# KiCad board m-blanc.kicad_pcb (continued)
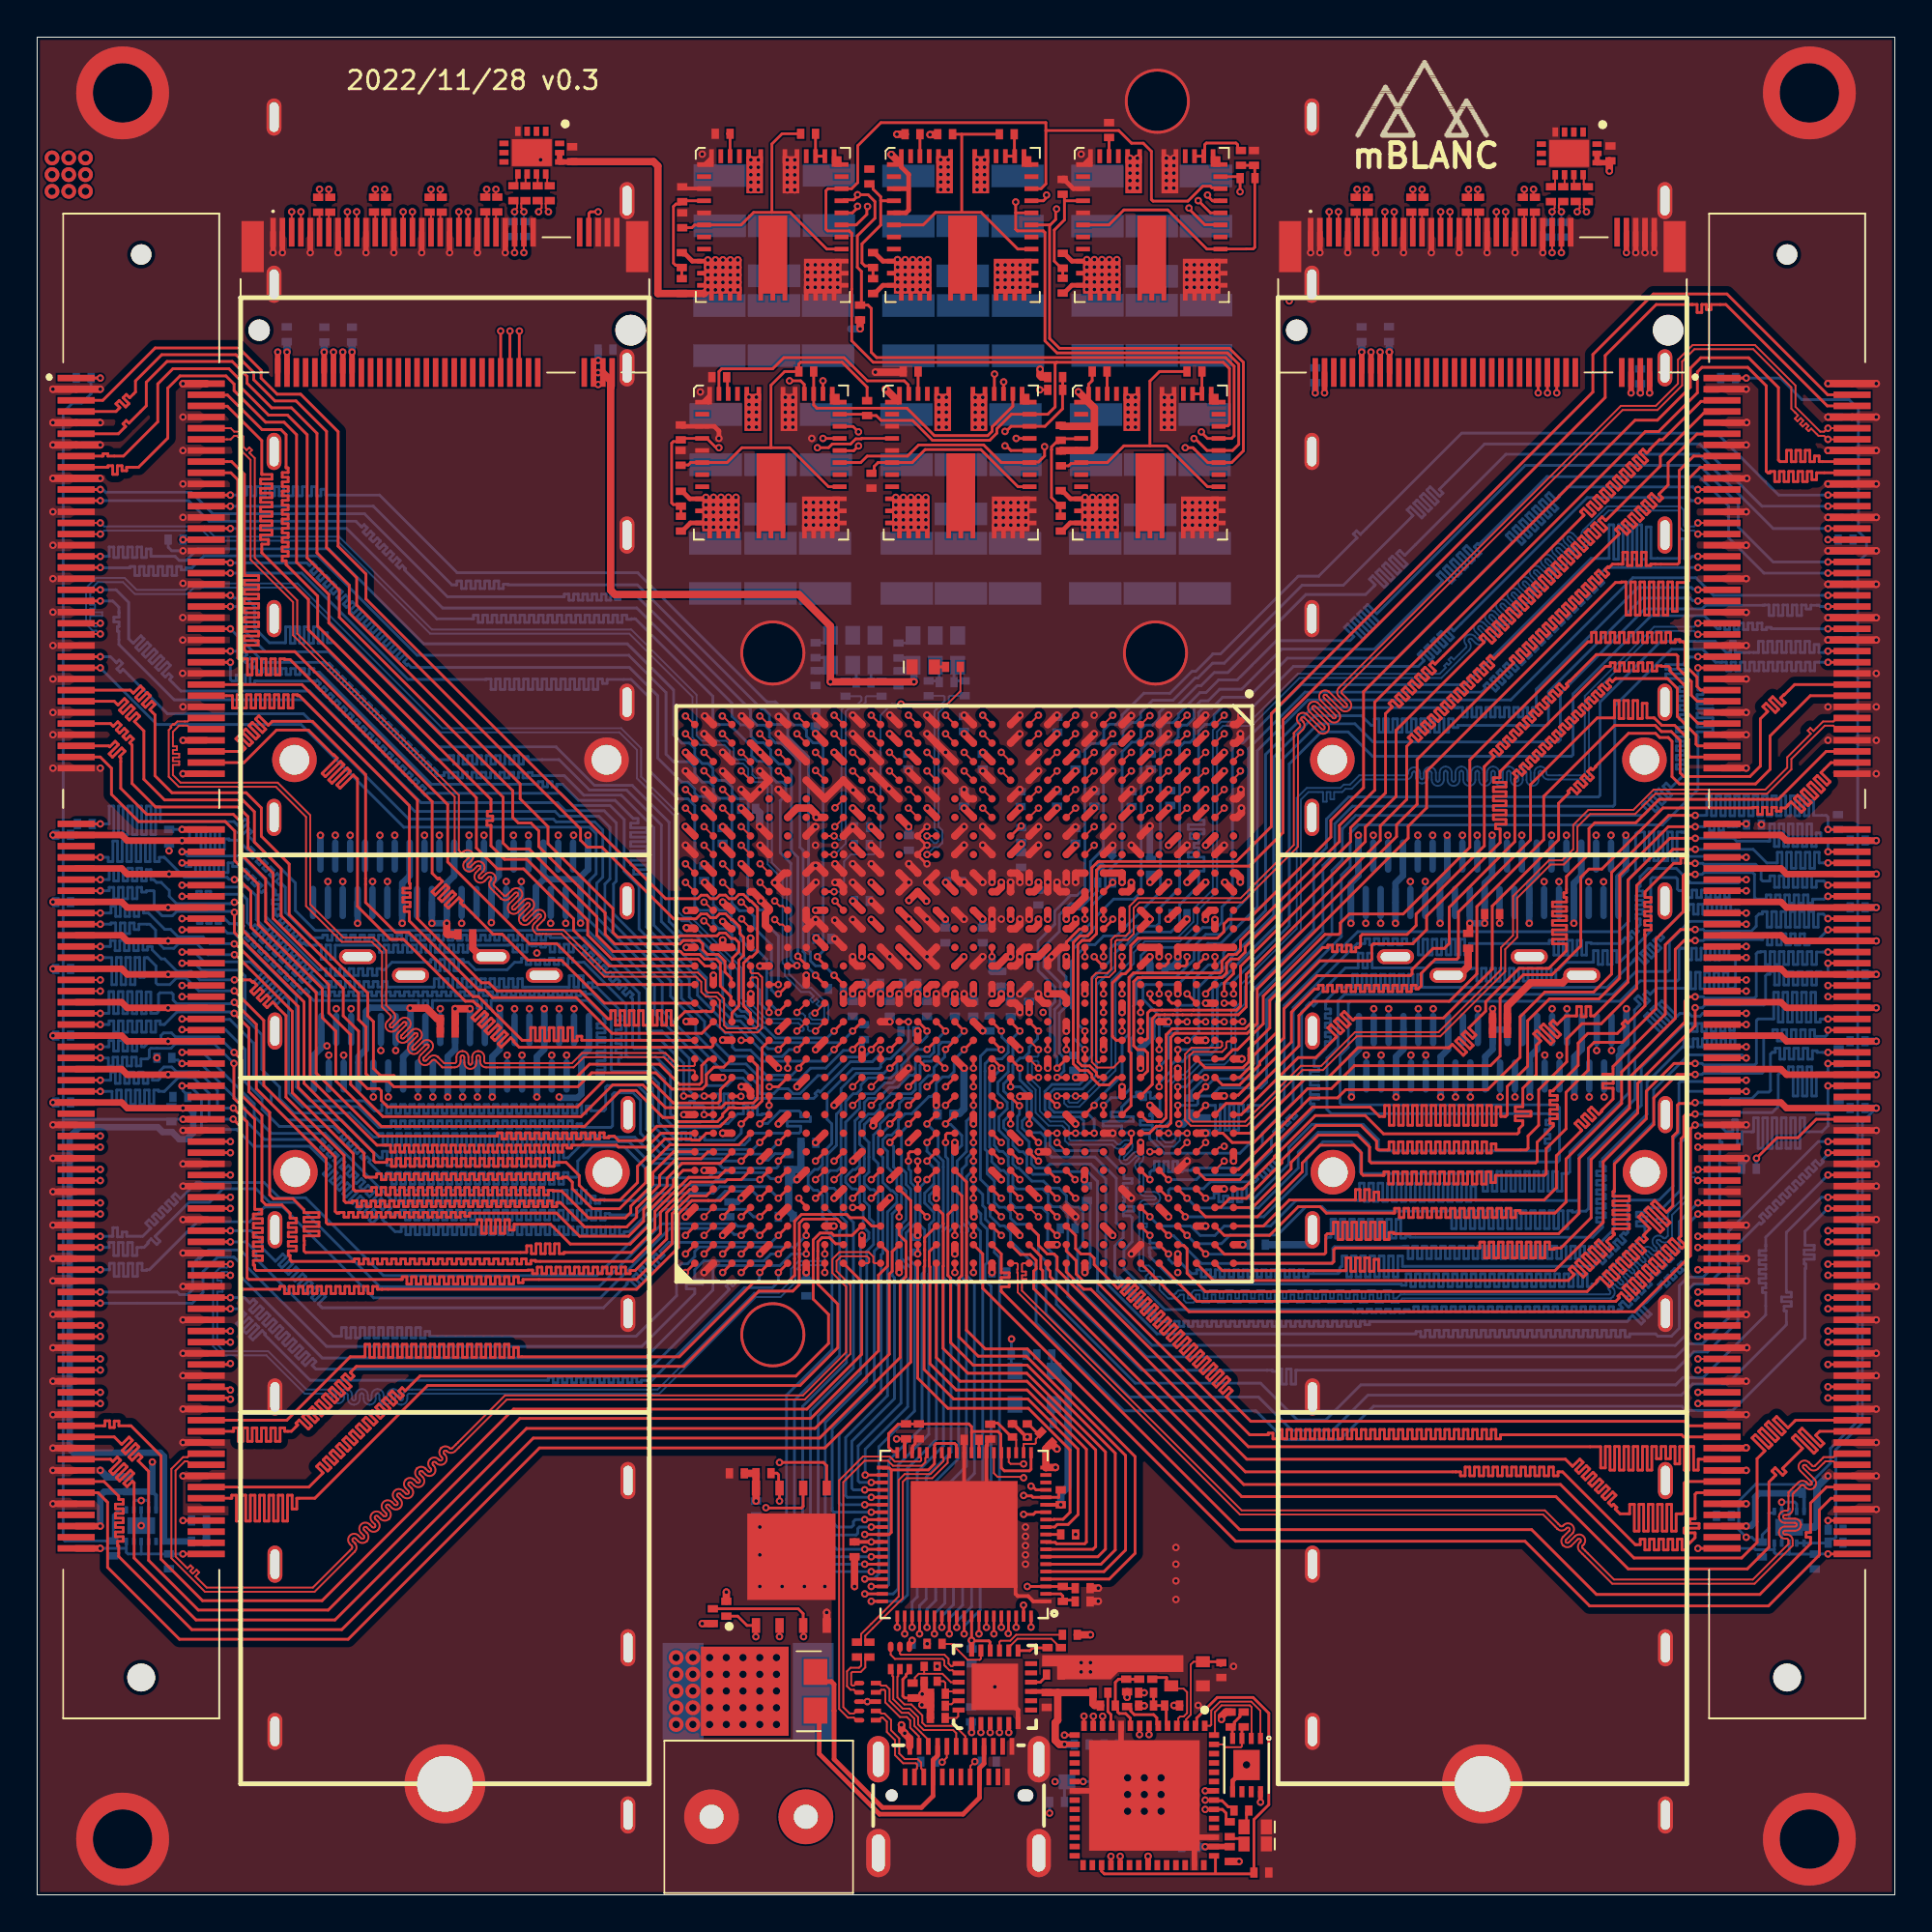
[diagram p0: board, top side]
## Routing (per net, layer and track width the routed paths; a pad name or vN(x,y) marks a point on that pad's centre or on a via; arc(x,y) is an arc through that point) (continued)
PCIe2_TX0_N: length 55.5
  Top Layer w0.1: U1.D1 v1(61.9,63.5) ; v1(80.05,91.81) 80.05,91.46 C96.1
  InLayer2 (Signal) w0.1: v1(80.05,91.81) 80.05,91.88 80.19,92.02 80.19,92.63 79.75,93.07 78.96,93.07 arc(78.89,93.04) 78.86,92.97 78.86,92.69 arc(78.77,92.46) 78.54,92.36 arc(78.31,92.46) 78.21,92.69 78.21,93.61 arc(78.18,93.68) 78.11,93.71 arc(78.04,93.68) 78.01,93.61 78.01,92.69 arc(77.92,92.46) 77.69,92.36 arc(77.46,92.46) 77.36,92.69 77.36,93.61 arc(77.33,93.68) 77.26,93.71 arc(77.19,93.68) 77.16,93.61 77.16,92.69 arc(77.07,92.46) 76.84,92.36 arc(76.61,92.46) 76.51,92.69 76.51,93.61 arc(76.48,93.68) 76.41,93.71 arc(76.34,93.68) 76.31,93.61 76.31,93.4 arc(76.22,93.17) 75.99,93.07 68.53,93.07 66.34,90.89 66.26,90.81 66.29,90.77 66.15,90.63 66.12,90.66 65.98,90.52 66.17,90.34 66.03,90.19 65.84,90.38 65.7,90.24 65.88,90.05 65.74,89.91 65.55,90.1 65.22,89.77 65.22,67.56 61.5,63.84 61.5,63.17 61.56,63.11 61.84,63.11 61.9,63.17 v1(61.9,63.5)
PCIe2_TX0_P: length 55.4
  Top Layer w0.1: v1(80.55,91.81) 80.55,91.45 C94.1 ; U1.D2 v1(61.9,62.5)
  InLayer2 (Signal) w0.1: v1(61.9,62.5) 61.9,62.83 61.84,62.89 61.47,62.89 61.28,63.08 61.28,63.94 65,67.66 65,89.86 68.44,93.3 75.99,93.3 arc(76.06,93.33) 76.09,93.4 76.09,93.61 arc(76.18,93.84) 76.41,93.94 arc(76.64,93.84) 76.74,93.61 76.74,92.69 arc(76.77,92.62) 76.84,92.59 arc(76.91,92.62) 76.94,92.69 76.94,93.61 arc(77.03,93.84) 77.26,93.94 arc(77.49,93.84) 77.59,93.61 77.59,92.69 arc(77.62,92.62) 77.69,92.59 arc(77.76,92.62) 77.79,92.69 77.79,93.61 arc(77.88,93.84) 78.11,93.94 arc(78.34,93.84) 78.44,93.61 78.44,92.69 arc(78.47,92.62) 78.54,92.59 arc(78.61,92.62) 78.64,92.69 78.64,92.97 arc(78.73,93.2) 78.96,93.3 79.84,93.3 80.41,92.72 80.41,92.02 80.55,91.88 v1(80.55,91.81)
PCIe2_TX1_N: length 55.4
  Top Layer w0.1: U1.B1 v1(63.9,63.5) ; C100.1 77.05,91.47 v1(77.05,91.81)
  InLayer2 (Signal) w0.1: v1(63.9,63.5) 63.9,63.17 63.96,63.11 64.05,63.11 64.23,63.29 64.23,63.74 67.61,67.12 67.61,70.07 68.25,70.71 69.53,70.71 69.65,70.82 69.65,71.36 arc(69.62,71.43) 69.55,71.46 arc(69.32,71.55) 69.22,71.78 arc(69.32,72.01) 69.55,72.11 70.49,72.11 arc(70.56,72.14) 70.59,72.21 arc(70.56,72.28) 70.49,72.31 69.3,72.31 arc(69.07,72.4) 68.98,72.63 arc(69.07,72.86) 69.3,72.96 70.52,72.96 arc(70.59,72.99) 70.62,73.06 arc(70.59,73.13) 70.52,73.16 69.3,73.16 arc(69.07,73.25) 68.98,73.48 arc(69.07,73.71) 69.3,73.81 70.52,73.81 arc(70.59,73.84) 70.62,73.91 arc(70.59,73.98) 70.52,74.01 69.3,74.01 arc(69.07,74.1) 68.98,74.33 arc(69.07,74.56) 69.3,74.66 70.52,74.66 arc(70.59,74.69) 70.62,74.76 arc(70.59,74.83) 70.52,74.86 69.3,74.86 arc(69.07,74.95) 68.98,75.18 arc(69.07,75.41) 69.3,75.51 70.52,75.51 arc(70.59,75.54) 70.62,75.61 arc(70.59,75.68) 70.52,75.71 69.98,75.71 arc(69.75,75.8) 69.65,76.03 69.65,89.27 69.93,89.54 70.29,89.54 70.29,89.72 70.49,89.72 70.49,89.54 70.76,89.54 70.98,89.76 70.98,90.71 72.71,92.44 75.76,92.44 76.85,91.35 77.09,91.35 77.19,91.45 77.19,91.6 77.05,91.74 v1(77.05,91.81)
PCIe2_TX1_P: length 55.5
  Top Layer w0.1: 63.97,62.5 v1(63.9,62.5) U1.B2 ; v1(77.55,91.81) 77.55,91.45 C98.1
  InLayer2 (Signal) w0.1: v1(63.9,62.5) 63.9,62.83 63.96,62.89 64.14,62.89 64.45,63.19 64.45,63.64 67.83,67.03 67.83,69.98 68.34,70.48 69.63,70.48 69.88,70.73 69.88,71.36 arc(69.78,71.59) 69.55,71.68 arc(69.48,71.71) 69.45,71.78 arc(69.48,71.85) 69.55,71.88 70.49,71.88 arc(70.72,71.98) 70.81,72.21 arc(70.72,72.44) 70.49,72.53 69.3,72.53 arc(69.23,72.56) 69.2,72.63 arc(69.23,72.7) 69.3,72.73 70.52,72.73 arc(70.75,72.83) 70.84,73.06 arc(70.75,73.29) 70.52,73.38 69.3,73.38 arc(69.23,73.41) 69.2,73.48 arc(69.23,73.55) 69.3,73.58 70.52,73.58 arc(70.75,73.68) 70.84,73.91 arc(70.75,74.14) 70.52,74.23 69.3,74.23 arc(69.23,74.26) 69.2,74.33 arc(69.23,74.4) 69.3,74.43 70.52,74.43 arc(70.75,74.53) 70.84,74.76 arc(70.75,74.99) 70.52,75.08 69.3,75.08 arc(69.23,75.11) 69.2,75.18 arc(69.23,75.25) 69.3,75.28 70.52,75.28 arc(70.75,75.38) 70.84,75.61 arc(70.75,75.84) 70.52,75.93 69.98,75.93 arc(69.9,75.96) 69.88,76.03 69.88,89.18 70.02,89.32 70.85,89.32 71.2,89.67 71.2,90.62 72.8,92.22 75.67,92.22 76.76,91.13 77.19,91.13 77.41,91.35 77.41,91.6 77.55,91.74 v1(77.55,91.81)
PCIe2_TX2_N: length 56
  Top Layer w0.1: U1.A3 64.4,61.06 64.77,61.44 v1(64.77,61.5) ; C104.1 74.05,91.46 v1(74.05,91.81)
  InLayer2 (Signal) w0.1: v1(74.05,91.81) 74.05,91.74 74.19,91.6 74.19,91.45 74.13,91.39 73.97,91.39 73.58,91.78 72.75,91.78 71.75,90.77 71.75,89.74 72.08,89.41 71.94,89.27 72.08,89.13 72.22,89.27 72.67,88.81 72.67,88.06 73.22,87.51 73.22,87.3 arc(73.32,87.07) 73.55,86.97 73.66,86.97 arc(73.73,86.95) 73.76,86.87 arc(73.73,86.8) 73.66,86.77 72.49,86.77 arc(72.26,86.68) 72.16,86.45 arc(72.26,86.22) 72.49,86.12 73.66,86.12 arc(73.73,86.1) 73.76,86.02 arc(73.73,85.95) 73.66,85.92 72.49,85.92 arc(72.26,85.83) 72.16,85.6 arc(72.26,85.37) 72.49,85.27 73.66,85.27 arc(73.73,85.25) 73.76,85.17 arc(73.73,85.1) 73.66,85.07 72.49,85.07 arc(72.26,84.98) 72.16,84.75 arc(72.26,84.52) 72.49,84.42 73.66,84.42 arc(73.73,84.4) 73.76,84.32 arc(73.73,84.25) 73.66,84.22 72.49,84.22 arc(72.26,84.13) 72.16,83.9 arc(72.26,83.67) 72.49,83.57 73.12,83.57 arc(73.19,83.55) 73.22,83.47 73.22,82.45 arc(73.32,82.22) 73.55,82.12 73.75,82.12 arc(73.82,82.09) 73.85,82.02 arc(73.82,81.95) 73.75,81.92 72.55,81.92 arc(72.32,81.83) 72.23,81.6 arc(72.32,81.37) 72.55,81.27 73.75,81.27 arc(73.82,81.24) 73.85,81.17 arc(73.82,81.1) 73.75,81.07 72.58,81.07 arc(72.35,80.98) 72.25,80.75 arc(72.35,80.52) 72.58,80.42 73.12,80.42 arc(73.19,80.39) 73.22,80.32 73.22,79.91 73.22,70.63 65.5,62.91 65.5,61.57 65.04,61.11 64.83,61.11 64.77,61.17 v1(64.77,61.5)
PCIe2_TX2_P: length 55.9
  Top Layer w0.1: U1.A4 64.4,60.06 64.77,60.44 v1(64.77,60.5) ; v1(74.55,91.81) 74.55,91.46 C102.1
  InLayer2 (Signal) w0.1: v1(64.77,60.5) 64.77,60.83 64.83,60.89 65.13,60.89 65.73,61.48 65.73,62.81 73.45,70.53 73.45,80.32 arc(73.35,80.55) 73.12,80.65 72.58,80.65 arc(72.51,80.68) 72.48,80.75 arc(72.51,80.82) 72.58,80.85 73.75,80.85 arc(73.98,80.94) 74.07,81.17 arc(73.98,81.4) 73.75,81.5 72.55,81.5 arc(72.48,81.53) 72.45,81.6 arc(72.48,81.67) 72.55,81.7 73.75,81.7 arc(73.98,81.79) 74.07,82.02 arc(73.98,82.25) 73.75,82.35 73.55,82.35 arc(73.48,82.38) 73.45,82.45 73.45,83.47 arc(73.35,83.7) 73.12,83.8 72.49,83.8 arc(72.41,83.83) 72.39,83.9 arc(72.41,83.97) 72.49,84 73.66,84 arc(73.89,84.09) 73.99,84.32 arc(73.89,84.55) 73.66,84.65 72.49,84.65 arc(72.41,84.68) 72.39,84.75 arc(72.41,84.82) 72.49,84.85 73.66,84.85 arc(73.89,84.94) 73.99,85.17 arc(73.89,85.4) 73.66,85.5 72.49,85.5 arc(72.41,85.53) 72.39,85.6 arc(72.41,85.67) 72.49,85.7 73.66,85.7 arc(73.89,85.79) 73.99,86.02 arc(73.89,86.25) 73.66,86.35 72.49,86.35 arc(72.41,86.38) 72.39,86.45 arc(72.41,86.52) 72.49,86.55 73.66,86.55 arc(73.89,86.64) 73.99,86.87 arc(73.89,87.1) 73.66,87.2 73.55,87.2 arc(73.48,87.23) 73.45,87.3 73.45,87.6 72.9,88.15 72.9,88.91 71.98,89.83 71.98,90.68 72.85,91.55 73.49,91.55 73.87,91.17 74.22,91.17 74.41,91.36 74.41,91.6 74.55,91.74 v1(74.55,91.81)
PCIe2_TX3_N: length 58.7
  Top Layer w0.1: U1.B5 v1(63.9,59.5) ; C108.1 71.05,91.45 v1(71.05,91.81)
  InLayer2 (Signal) w0.1: v1(71.05,91.81) 71.05,91.88 71.19,92.02 71.19,92.17 71.13,92.23 70.06,92.23 70.06,91.97 69.86,91.97 69.86,92.23 69.66,92.23 69.66,91.94 69.46,91.94 69.46,92.23 69.05,92.23 68.58,91.75 arc(68.55,91.68) 68.58,91.61 68.62,91.57 68.62,91.56 arc(68.57,91.12) 68.13,91.14 67.88,91.38 arc(67.88,91.38) 67.88,91.38 arc(67.81,91.41) 67.74,91.39 arc(67.71,91.31) 67.74,91.24 68.02,90.96 68.02,90.96 arc(67.97,90.52) 67.52,90.54 67.28,90.78 arc(67.28,90.78) 67.28,90.78 arc(67.21,90.81) 67.14,90.78 arc(67.11,90.71) 67.14,90.64 67.42,90.36 67.42,90.36 arc(67.37,89.92) 66.92,89.94 66.92,89.95 arc(66.92,89.95) 66.92,89.95 arc(66.84,89.98) 66.77,89.95 66.49,89.67 arc(66.49,89.67) 66.49,89.67 66.1,89.27 66.1,87.86 arc(66.13,87.79) 66.2,87.76 66.23,87.76 arc(66.45,87.67) 66.55,87.44 arc(66.45,87.21) 66.23,87.11 65.75,87.11 arc(65.68,87.08) 65.65,87.01 arc(65.68,86.94) 65.75,86.91 66.23,86.91 arc(66.45,86.82) 66.55,86.59 arc(66.45,86.36) 66.23,86.26 65.75,86.26 arc(65.68,86.23) 65.65,86.16 arc(65.68,86.09) 65.75,86.06 66.23,86.06 arc(66.45,85.97) 66.55,85.74 arc(66.45,85.51) 66.23,85.41 65.75,85.41 arc(65.68,85.38) 65.65,85.31 arc(65.68,85.24) 65.75,85.21 66.23,85.21 arc(66.45,85.12) 66.55,84.89 arc(66.45,84.66) 66.23,84.56 65.75,84.56 arc(65.68,84.53) 65.65,84.46 arc(65.68,84.39) 65.75,84.36 66.23,84.36 arc(66.45,84.27) 66.55,84.04 arc(66.45,83.81) 66.23,83.71 65.75,83.71 arc(65.68,83.68) 65.65,83.61 arc(65.68,83.54) 65.75,83.51 66.23,83.51 arc(66.46,83.42) 66.56,83.19 arc(66.46,82.96) 66.23,82.86 65.75,82.86 arc(65.68,82.83) 65.65,82.76 arc(65.68,82.69) 65.75,82.66 66.23,82.66 arc(66.46,82.57) 66.56,82.34 arc(66.46,82.11) 66.23,82.01 65.75,82.01 arc(65.68,81.98) 65.65,81.91 arc(65.68,81.84) 65.75,81.81 66.23,81.81 arc(66.46,81.72) 66.56,81.49 arc(66.46,81.26) 66.23,81.16 65.75,81.16 arc(65.68,81.13) 65.65,81.06 arc(65.68,80.99) 65.75,80.96 66.23,80.96 arc(66.46,80.87) 66.56,80.64 arc(66.46,80.41) 66.23,80.31 65.75,80.31 arc(65.68,80.28) 65.65,80.21 arc(65.68,80.14) 65.75,80.11 66.23,80.11 arc(66.46,80.02) 66.56,79.79 arc(66.46,79.56) 66.23,79.46 66.2,79.46 arc(66.13,79.43) 66.1,79.36 66.1,67.42 62.5,63.82 62.5,59.41 62.78,59.12 63.84,59.12 63.9,59.18 v1(63.9,59.5)
PCIe2_TX3_P: length 58.7
  Top Layer w0.1: v1(71.55,91.81) 71.55,91.46 C106.1 ; U1.B6 v1(63.9,58.5)
  InLayer2 (Signal) w0.1: v1(71.55,91.81) 71.55,91.88 71.41,92.02 71.41,92.26 71.22,92.45 68.96,92.45 68.42,91.91 arc(68.42,91.91) 68.42,91.91 arc(68.32,91.68) 68.42,91.45 68.43,91.44 arc(68.43,91.3) 68.29,91.3 68.01,91.58 68,91.58 arc(67.78,91.64) 67.58,91.54 arc(67.58,91.54) 67.58,91.54 arc(67.48,91.31) 67.58,91.08 67.83,90.84 arc(67.83,90.84) 67.83,90.84 arc(67.83,90.7) 67.68,90.7 67.41,90.98 67.4,90.98 arc(67.18,91.04) 66.98,90.94 arc(66.88,90.71) 66.98,90.48 67.22,90.24 arc(67.23,90.1) 67.08,90.1 67.07,90.1 arc(67.07,90.11) 67.07,90.11 67.04,90.14 67.04,90.14 arc(66.82,90.2) 66.61,90.1 65.88,89.37 65.88,87.86 arc(65.97,87.63) 66.2,87.54 66.23,87.54 arc(66.3,87.51) 66.33,87.44 arc(66.3,87.37) 66.23,87.34 65.75,87.34 arc(65.52,87.24) 65.42,87.01 arc(65.52,86.78) 65.75,86.69 66.23,86.69 arc(66.3,86.66) 66.33,86.59 arc(66.3,86.52) 66.23,86.49 65.75,86.49 arc(65.52,86.39) 65.42,86.16 arc(65.52,85.93) 65.75,85.84 66.23,85.84 arc(66.3,85.81) 66.33,85.74 arc(66.3,85.67) 66.23,85.64 65.75,85.64 arc(65.52,85.54) 65.42,85.31 arc(65.52,85.08) 65.75,84.99 66.23,84.99 arc(66.3,84.96) 66.33,84.89 arc(66.3,84.82) 66.23,84.79 65.75,84.79 arc(65.52,84.69) 65.42,84.46 arc(65.52,84.23) 65.75,84.14 66.23,84.14 arc(66.3,84.11) 66.33,84.04 arc(66.3,83.97) 66.23,83.94 65.75,83.94 arc(65.52,83.84) 65.42,83.61 arc(65.52,83.38) 65.75,83.29 66.23,83.29 arc(66.3,83.26) 66.33,83.19 arc(66.3,83.12) 66.23,83.09 65.75,83.09 arc(65.52,82.99) 65.42,82.76 arc(65.52,82.53) 65.75,82.44 66.23,82.44 arc(66.3,82.41) 66.33,82.34 arc(66.3,82.27) 66.23,82.24 65.75,82.24 arc(65.52,82.14) 65.42,81.91 arc(65.52,81.68) 65.75,81.59 66.23,81.59 arc(66.3,81.56) 66.33,81.49 arc(66.3,81.42) 66.23,81.39 65.75,81.39 arc(65.52,81.29) 65.42,81.06 arc(65.52,80.83) 65.75,80.74 66.23,80.74 arc(66.3,80.71) 66.33,80.64 arc(66.3,80.57) 66.23,80.54 65.75,80.54 arc(65.52,80.44) 65.42,80.21 arc(65.52,79.98) 65.75,79.89 66.23,79.89 arc(66.3,79.86) 66.33,79.79 arc(66.3,79.72) 66.23,79.69 66.2,79.69 arc(65.97,79.59) 65.88,79.36 65.88,67.51 62.28,63.91 62.28,59.31 62.69,58.9 63.84,58.9 63.9,58.84 v1(63.9,58.5)
PCIe2_WAKE: length 43.9
  Top Layer w0.15: v1(64.4,48.5) U1.A15 ; v1(81.8,80.85) M.2 #2.54
  InLayer1 (GND) w0.15: v1(64.4,48.5) 64.4,49.87 65.17,50.64 65.17,53.57 65.7,54.09 65.7,63.84 65.67,63.87 65.67,69.1 73.36,76.79 77.92,76.79 81.55,80.42 81.55,80.53 81.8,80.78 v1(81.8,80.85)
POK_1.0V: length 81
  Top Layer w0.15: VR3.31 63.62,79.07 64.09,79.07 64.18,79.16 64.18,82.16 63.84,82.5 54.88,82.5 ; VR5.31 54.04,91.84 54.3,92.1 54.3,94.98 ; 54.3,94.98 58.23,94.98 58.91,94.29 59.54,94.29 59.98,93.85 59.98,91.26 60.07,91.18 61.94,91.18 62.74,91.98 63.16,91.98 63.24,91.89 63.65,91.89 VR4.31 ; 54.3,94.98 54.3,95.4 45.42,95.4 44.17,94.15 44.17,92.17 43.84,91.84 VR6.31 42.57,91.84 42.46,91.74 42.46,89.66 42.55,89.57 43.72,89.57 43.85,89.44 43.85,86.45 43.85,86.44 43.85,83.65 45,82.5 54.88,82.5 ; 54.88,82.5 54.8,82.41 54.8,80.1 54.4,79.7 VR2.32 52.44,79.7 51.66,78.92 51.66,78.68 51.28,78.3 48.19,78.3 47.13,79.37 45.43,79.37 45.17,79.63 R37.2 44.61,79.7 VR1.32
POK_1.35V: length 258.9
  Top Layer w0.15: v1(64.75,91.68) 64.75,91.68 64.75,92.41 R57.2 ; VR4.32 64.7,92.49
  InLayer3 (PWR) w0.15: v1(64.75,91.68) 64.53,91.9 62.57,91.9 61.35,90.68 55.74,90.68 55.29,91.13 54.63,91.13 54.2,90.7 45.2,90.7 45.07,90.83 45.07,91.04 44.85,91.26 44.64,91.26 44.54,91.36 44.54,91.67 44.32,91.89 44.01,91.89 43.79,91.67 43.79,90.83 43.7,90.74 35.69,90.74 35.6,90.65 35.6,88.5 35.51,88.42 27.68,88.42 27.59,88.33 27.59,83.91 27.45,83.78 13.01,83.78 12.9,83.89 12.9,84.53 12.36,85.08 11.58,85.08 11.01,84.51 11.01,83.91 10.92,83.83 3.91,83.83 3.82,83.74 3.82,23 v1(5.6,21.22) ; v1(93.91,21.14) 93.43,21.14 93.03,21.53 93.03,39.52 93.03,41.81 93.12,41.9 99.14,41.9 99.38,42.14 99.38,42.51 99.2,42.68 99.2,43.82 99.38,43.99 99.38,44.31 99.2,44.48 99.2,45.62 99.38,45.79 99.38,46.11 99.2,46.28 99.2,47.4 99.38,47.58 99.38,47.93 99.2,48.1 99.2,49.19 99.38,49.37 99.38,49.74 99.2,49.91 99.2,50.9 99.39,51.09 99.39,51.57 99.2,51.76 99.2,52.8 99.38,52.98 99.38,53.32 99.2,53.5 99.2,54.62 99.38,54.79 99.38,54.83 99.38,54.83 99.38,55.1 99.2,55.28 99.2,56.42 99.38,56.59 99.38,56.91 99.23,57.05 99.23,59.57 98.3,60.5 92.38,60.5 92.16,60.28 91.84,60.28 91.62,60.5 88.29,60.5 87.6,59.81 87.6,58.16 87.34,57.9 78.84,57.9 78.75,57.81 78.75,56.87 78.54,56.67 78.09,56.67 77.89,56.87 77.89,57.81 77.8,57.9 70.5,57.9 67.99,60.4 67.99,83.28 68.08,83.37 68.15,83.37 68.65,83.87 68.65,84.58 68.15,85.08 67.98,85.08 67.89,85.16 67.89,85.61 67.75,85.75 67.45,85.75 v1(67.4,85.8)
  InLayer4 (GND) w0.15: v1(67.4,85.8) 65.3,85.8 64.75,86.35 v1(64.75,91.68)
  Bottom Layer w0.15: U7.7 5.2,21.15 5.29,21.24 5.6,21.24 ; 93.91,21.14 94.61,21.14 94.71,21.04 U8.9 ; 5.61,21.24 5.91,21.24 6,21.15 U7.9 ; 93.9,21.14 v1(93.91,21.14) 93.91,21.14 93.91,20.64 U8.7
PROG_B: length 75.8
  Top Layer w0.15: U1.AB11 43.4,53.02 42.95,53.48 v1(42.95,53.5)
  InLayer1 (GND) w0.1: v1(54.79,6.1) 54.79,7.19 54.7,7.29 54.7,8.85 55.48,9.63 55.48,13.09 55.42,13.15 40.69,13.15 40.34,13.5 39.53,13.5 39.15,13.88 39.15,15.45 38.3,16.3 38.3,21.29 38.56,21.55 38.95,21.55 39.03,21.63 39.03,23.43 39.72,24.12 40.37,24.12 44.9,28.66 44.9,32 45.85,32.95 45.85,33.86 46.85,34.86 46.85,35.73 47.25,36.13 47.25,37.17 47.6,37.52 47.6,37.72 47.95,38.07 48.17,38.07 48.25,38.16 48.25,38.81 48.19,38.87 46.6,38.87 46.28,39.19 46.28,45.76 44.94,47.1 43.8,47.1 42.85,48.06 42.85,48.8 43.44,49.39 43.44,53.28 43.23,53.49 42.96,53.49 v1(42.95,53.5)
  Bottom Layer w0.15: v1(54.79,6.1) 55.43,6.1 Q1.3 55.3,5.94 R15.1
PWR_ALT: length 114
  Top Layer w0.15: v1(42.3,78.4) VR1.30 ; 43.38,91.19 43.42,91.24 43.96,91.24 44.11,91.4 44.11,91.47 v1(44.16,91.52) 44.73,91.52 45.1,91.15 45.1,90.25 44.15,89.31 44.15,87.61 44.37,87.39 44.37,85.65 R58.2 44.72,85.58 44.9,85.4 44.9,83.04 45.19,82.75 63.97,82.75 64.43,82.29 64.43,78.53 64.3,78.4 VR3.30 63,78.4 62.67,78.73 v1(62.67,78.75) ; 63.66,91.23 VR4.30 ; v1(52.7,78.4) VR2.30 ; v1(60.9,48.5) 60.9,48.18 61.08,48 U1.D16 ; 54.29,91.31 54.17,91.19 VR5.30 ; v1(63,91.5) 63,91.46 63.26,91.19 63.52,91.19
  InLayer1 (GND) w0.1: v1(60.9,48.5) 60.9,48.54 60.55,48.89 60.55,49.06 59.35,50.26 59.35,55.07 58.3,56.12 58.3,63.76 54.73,67.33
  InLayer1 (GND) w0.15: v1(52.7,78.4) 53.26,78.4 54.7,76.96 54.7,67.36 54.73,67.33
  InLayer4 (GND) w0.15: 44.18,91.53 47.88,91.53 48,91.41 51.4,91.41 51.49,91.5 v1(54.34,91.5) 61.34,91.5 61.48,91.64 62.59,91.64 62.68,91.55 62.95,91.55 v1(63,91.5) ; v1(42.3,78.4) 44.03,78.4 44.06,78.38 51.53,78.38 51.55,78.4 v1(52.7,78.4) 52.77,78.4 52.95,78.58 61.58,78.58 61.77,78.77 62.65,78.77 v1(62.67,78.75)
PWR_SCL: length 102.8
  Top Layer w0.15: v1(44.7,90.89) 44.66,90.85 44.66,90.46 44.09,89.89 VR6.28 ; v1(61.8,77.9) 62.22,77.9 63.02,77.1 VR3.28 64.3,77.1 64.93,77.73 64.93,82.5 64.18,83.25 55.03,83.25 54.5,83.78 54.5,89.88 54.49,89.89 ; 54.49,89.89 54.53,89.89 54.83,90.19 54.83,90.7 v1(54.87,90.75) ; 54.49,89.89 VR5.28 ; VR4.28 63.69,89.91 62.85,89.91 62,90.76 v1(62,90.8) ; v1(54.23,77.96) 54.23,77.46 53.91,77.13 53.45,77.13 VR2.28 51.9,77.1 50.95,78.05 47.45,78.05 46.85,77.45 44.68,77.45 44.33,77.1 VR1.28 ; v1(61.9,48.5) U1.C16
  InLayer1 (GND) w0.1: v1(61.9,48.5) 61.9,48.51 61.51,48.9 61,48.9 59.55,50.35 59.55,55.15 58.5,56.2 58.5,63.89 54.98,67.41
  InLayer1 (GND) w0.15: 54.98,67.41 54.98,67.44 54.95,67.47 54.95,77.24 54.23,77.96 v1(54.23,77.96)
  InLayer4 (GND) w0.15: v1(62,90.8) 55.09,90.8 55.09,90.8 54.92,90.8 v1(54.87,90.75) 52.42,90.75 52.3,90.88 47.76,90.88 47.75,90.89 v1(44.7,90.89) ; v1(61.8,77.9) 61.77,77.93 54.26,77.93 v1(54.23,77.96)
  Bottom Layer w0.15: v1(54.23,77.96) 54.24,77.96
PWR_SDA: length 104.6
  Top Layer w0.15: v1(44.21,77.99) 43.96,77.74 43.21,77.74 VR1.29 ; 52.68,90.54 52.68,89.66 52.76,89.57 54.16,89.57 54.25,89.48 54.25,83.65 54.9,83 64.07,83 64.68,82.39 64.68,78.08 64.35,77.75 VR3.29 62.97,77.75 62.33,78.39 v1(62.27,78.39) ; 52.68,90.54 v1(52.68,91.13) ; 52.68,90.54 VR5.29 ; VR2.29 52.42,77.75 52.17,78 v1(52.1,78) ; VR4.29 63.16,90.54 v1(62.5,91.2) ; 43.38,90.54 43.89,90.54 44.12,90.77 44.12,90.85 v1(44.16,90.9) ; v1(60.4,48.5) U1.E15
  InLayer1 (GND) w0.1: v1(60.4,48.5) 60.35,48.55 60.35,48.98 59.15,50.18 59.15,53.54 59.09,53.61 57.89,53.61 57.32,54.18 57.32,64.42 54.45,67.3
  InLayer1 (GND) w0.15: v1(52.1,78) 53.3,78 54.45,76.85 54.45,67.3
  InLayer4 (GND) w0.15: 52.7,91.19 54.01,91.19 54.11,91.09 54.52,91.09 54.62,91.2 v1(62.5,91.2) ; v1(44.16,90.9) 44.55,91.28 47.71,91.28 47.86,91.13 v1(52.68,91.13) ; 62.29,78.38 v1(62.27,78.39) 61.75,78.39 61.69,78.33 53.23,78.33 52.9,78 v1(52.1,78) ; 52.03,78 51.91,78.12 44.41,78.12 44.25,77.96
Q0_CLK_N: length 10.3
  Top Layer w0.1: U1.AC7 42.94,57
  Bottom Layer w0.1: C85.2 44.31,64.52 44.37,64.46 44.37,64.29 44.15,64.08 43.58,64.08 43.3,63.79 43.3,56.83 43.24,56.78 43.16,56.78 42.93,57 v1(42.9,57)
Q0_CLK_P: length 10.9
  Top Layer w0.1: U1.AC8 42.94,56
  Bottom Layer w0.1: v1(42.9,56) 42.93,56 43.53,56.59 43.53,63.7 43.67,63.85 44.25,63.85 44.6,64.2 44.6,64.46 44.66,64.52 C86.2
Q1_CLK_N: length 10.3
  Top Layer w0.1: v1(47.9,57) U1.U7
  Bottom Layer w0.1: v1(47.9,57) 48.29,56.61 48.4,56.61 48.5,56.71 48.5,57.2 48.3,57.4 48.3,63.72 48.85,64.27 48.85,64.49 48.79,64.55 C177.2
Q1_CLK_P: length 10.6
  Top Layer w0.1: v1(47.9,56) U1.U8
  Bottom Layer w0.1: C178.2 49.92,64.55 49.13,64.55 49.07,64.49 49.07,64.17 48.53,63.62 48.53,57.49 48.73,57.29 48.73,56.62 48.49,56.39 48.29,56.39 v1(47.9,56)
Q1_RST: length 31.2
  Top Layer w0.15: U1.G17 58.41,46.99 58.41,46.56 58.41,46.55
  InLayer4 (GND) w0.1: v1(58.4,46.5) 58.42,46.52 58.67,46.52 59.03,46.89 59.64,46.89 60.15,46.38 63.17,46.38 63.55,46.75 63.55,49.15 63.67,49.27 70.4,49.27 70.46,49.22 70.46,44.86 71.24,44.08 74.52,44.08 75.2,43.4 75.2,42.65 75.7,42.15 77.95,42.15 v1(78.75,42.95)
  Bottom Layer w0.15: v1(78.75,42.95) QSFP+ #1.9
Q1_SEL: length 24.8
  Top Layer w0.15: U1.C14 v1(62.9,50.5)
  InLayer4 (GND) w0.1: v1(79.55,42.95) 79.55,43.05 79.16,43.44 77.66,43.44 76.42,44.68 71.49,44.68 71.07,45.11 71.07,49.82 71.01,49.87 62.96,49.87 62.9,49.93 v1(62.9,50.5)
  Bottom Layer w0.15: v1(79.55,42.95) QSFP+ #1.8
Q2_RST: length 33.4
  Top Layer w0.15: v1(59.4,46.5) U1.F17
  InLayer1 (GND) w0.1: v1(77.52,57.04) 77.54,57.01 77.79,57.01 78.11,56.69 78.52,56.69 78.93,56.27 78.93,52.79 78.84,52.7 78.63,52.7 78.38,52.44 78.38,51.76 77.52,50.9 77.52,48.2 77.2,47.88 77.2,47.47 77.52,47.15 77.52,46.37 76.9,45.76 69.67,45.76 69.22,45.3 68.4,45.3 67.6,46.1 63.29,46.1 63.04,46.35 62.68,46.35 62.38,46.65 59.61,46.65 59.46,46.5 v1(59.4,46.5)
  Bottom Layer w0.15: QSFP+ #2.9 77.52,55.92 77.52,57.04 v1(77.52,57.04)
Q2_SEL: length 23
  Top Layer w0.15: 61.89,50.49 61.89,50.09 61.8,50 U1.D14
  InLayer4 (GND) w0.1: 61.89,50.54 61.89,51.09 62.3,51.5 68.54,51.5 68.6,51.56 68.6,56.06 68.66,56.12 76.66,56.12 76.72,56.18 v1(76.72,57.04)
  Bottom Layer w0.15: v1(76.72,57.04) 76.72,57.04 76.72,55.92 QSFP+ #2.8
  vias: v1(61.9,50.5)
Q3_RST: length 46.8
  Top Layer w0.15: U1.E16 60.38,48.02 60.12,48.02 59.92,48.22 59.92,48.48 v1(59.9,48.5)
  InLayer4 (GND) w0.1: v1(59.9,48.5) 59.9,49 59,49.9 44.08,49.9 43.45,49.27 43.45,49.27 43.13,48.95 40.49,48.95 39.09,50.35 36.18,50.35 35.88,50.05 28.46,50.05 26.34,52.17 25.67,52.17 23.84,53.99 23.84,56.58 23.79,56.64 21.71,56.64 21.65,56.7 v1(21.65,57.04)
  Bottom Layer w0.15: QSFP+ #3.9 v1(21.65,57.04)
Q3_SEL: length 47.9
  Top Layer w0.15: U1.E14 60.71,50 60.89,50.18 60.89,50.5
  InLayer4 (GND) w0.1: v1(20.85,57.04) 20.85,57.45 21.04,57.64 24.36,57.64 24.6,57.4 24.6,56.49 24.47,56.36 24.47,54.22 25.91,52.78 26.58,52.78 28.71,50.65 35.63,50.65 35.93,50.95 40.6,50.95 40.72,51.07 60.32,51.07 60.89,50.5 60.89,50.5
  Bottom Layer w0.15: QSFP+ #3.8 v1(20.85,57.04)
  vias: v1(60.9,50.5)
Q4_RST: length 42.1
  Top Layer w0.15: v1(59.4,47.5) U1.F16
  InLayer4 (GND) w0.1: v1(59.4,47.5) 59.4,48.38 58.73,49.05 56.08,49.05 55.12,48.09 52.27,48.09 52.03,47.85 32.95,47.85 28.64,43.54 22.96,43.54 22.9,43.48 v1(22.9,42.95)
  Bottom Layer w0.15: v1(22.9,42.95) QSFP+ #4.9
Q4_SEL: length 47.9
  Top Layer w0.15: v1(62.9,48.5) 62.9,48.53 63.37,49 63.4,49
  InLayer4 (GND) w0.1: v1(62.9,48.5) 63.3,48.1 63.3,46.83 63.04,46.58 60.23,46.58 59.72,47.09 59.32,47.09 59.05,47.36 59.05,48.45 58.65,48.85 56.16,48.85 55.2,47.89 52.35,47.89 52.11,47.65 42.73,47.65 42.2,47.12 39.23,47.12 38.7,47.65 33.03,47.65 28.68,43.3 23.76,43.3 23.7,43.24 23.7,42.95 v1(23.7,42.95)
  Bottom Layer w0.15: v1(23.7,42.95) 23.7,44
Q_INT: length 82.4
  Top Layer w0.15: v1(57.4,46.5) U1.H17 ; v1(78.73,52.3) 78.72,52.3 R66.2
  InLayer1 (GND) w0.1: v1(57.4,46.5) 57.77,46.5 58.19,46.92 58.65,46.92 58.89,46.69 58.89,46.38 59.12,46.15 59.54,46.15 59.69,46.3 61.11,46.3 61.76,45.65 63.1,45.65 63.35,45.9 67.51,45.9 68.31,45.1 69.3,45.1 69.75,45.55 71.39,45.55 71.4,45.56 74.89,45.56 74.9,45.55 76.98,45.55 77.72,46.29 77.72,47.49 77.55,47.66 77.55,47.74 77.72,47.91 77.72,50.8 78.73,51.8 v1(78.73,52.3)
  InLayer4 (GND) w0.1: v1(57.4,46.5) 57.03,46.5 56.49,47.03 52.57,47.03 52.16,47.44 42.8,47.44 42.28,46.92 39.15,46.92 38.62,47.45 33.12,47.45 28.27,42.6 22.68,42.6 22.48,42.79 22.48,46.92 v1(21.7,47.7) 21.7,50 22.85,51.15 v1(22.85,52.3)
  Bottom Layer w0.15: v1(22.85,52.3) QSFP+ #3.28 ; v1(78.73,52.3) 78.72,52.3 78.72,53.42 QSFP+ #2.28 ; QSFP+ #1.28 v1(77.55,47.7) ; QSFP+ #4.28 v1(21.7,47.7)
Q_SCL: length 103.6
  Top Layer w0.15: U1.G14 v1(58.4,50.5)
  InLayer1 (GND) w0.1: v1(21.3,42.95) 21.01,43.24 21.01,48.31 21.89,49.19 21.89,49.69 23.3,51.1 23.3,51.6 23.43,51.73 23.43,55.33 24.5,56.4 24.5,57.08 24.19,57.39 23.91,57.39 23.56,57.04 v1(23.25,57.04) ; v1(77.15,42.95) 77.15,43.45 78.12,44.42 78.12,47.26 78.21,47.35 78.49,47.35 78.7,47.56 78.7,47.84 78.49,48.05 78.23,48.05 78.12,48.16 78.12,50.62 79.33,51.84 79.33,56.83 79.13,57.03 v1(79.13,57.04)
  InLayer4 (GND) w0.1: v1(77.15,42.95) 77.15,43.61 76.28,44.48 71.41,44.48 70.87,45.02 70.87,49.62 70.81,49.67 62.88,49.67 62.4,50.15 59.32,50.15 58.97,50.5 v1(58.4,50.5) 58.03,50.87 40.81,50.87 40.68,50.75 36.01,50.75 35.71,50.45 28.63,50.45 26.51,52.57 25.83,52.57 24.27,54.14 24.27,56.65 24.4,56.78 24.4,57.3 24.27,57.43 23.8,57.43 23.47,57.1 23.31,57.1 v1(23.25,57.04)
  Bottom Layer w0.15: v1(77.15,42.95) QSFP+ #1.11 ; QSFP+ #3.11 v1(23.25,57.04) ; v1(79.13,57.04) 79.12,57.04 79.12,55.92 QSFP+ #2.11 ; v1(21.3,42.95) QSFP+ #4.11
Q_SDA: length 102.7
  Top Layer w0.15: 56.9,50.49 56.9,50.47 57.37,50
  InLayer1 (GND) w0.1: v1(20.5,42.95) 20.81,43.26 20.81,48.39 21.69,49.27 21.69,49.77 23.1,51.18 23.1,51.7 23.23,51.83 23.23,55.43 24.05,56.25 v1(24.05,57.04) ; v1(76.35,42.95) 77.92,44.52 77.92,47.61 77.92,47.61 77.92,50.71 79.13,51.92 79.13,56.36 78.73,56.77 78.73,57.29 78.93,57.5 79.74,57.5 79.91,57.33 79.91,57.04 v1(79.92,57.04)
  InLayer4 (GND) w0.1: 56.9,50.1 43.99,50.1 43.25,49.36 43.04,49.15 40.57,49.15 39.17,50.55 36.09,50.55 35.79,50.25 28.55,50.25 26.43,52.37 25.75,52.37 24.05,54.07 24.05,57.04 v1(24.05,57.04) ; 56.9,50.1 56.9,50.49 ; 56.9,50.1 59.08,50.1 59.23,49.95 62.32,49.95 62.79,49.47 70.6,49.47 70.66,49.42 70.66,44.94 71.32,44.28 76.19,44.28 76.35,44.13 v1(76.35,42.95)
  Bottom Layer w0.15: QSFP+ #3.12 v1(24.05,57.04) ; v1(79.92,57.04) 79.92,57.04 79.92,55.92 QSFP+ #2.12 ; v1(20.5,42.95) QSFP+ #4.12 ; v1(76.35,42.95) QSFP+ #1.12
  vias: v1(56.9,50.5)
